# KiCad board poly_kb.kicad_pcb (continued)
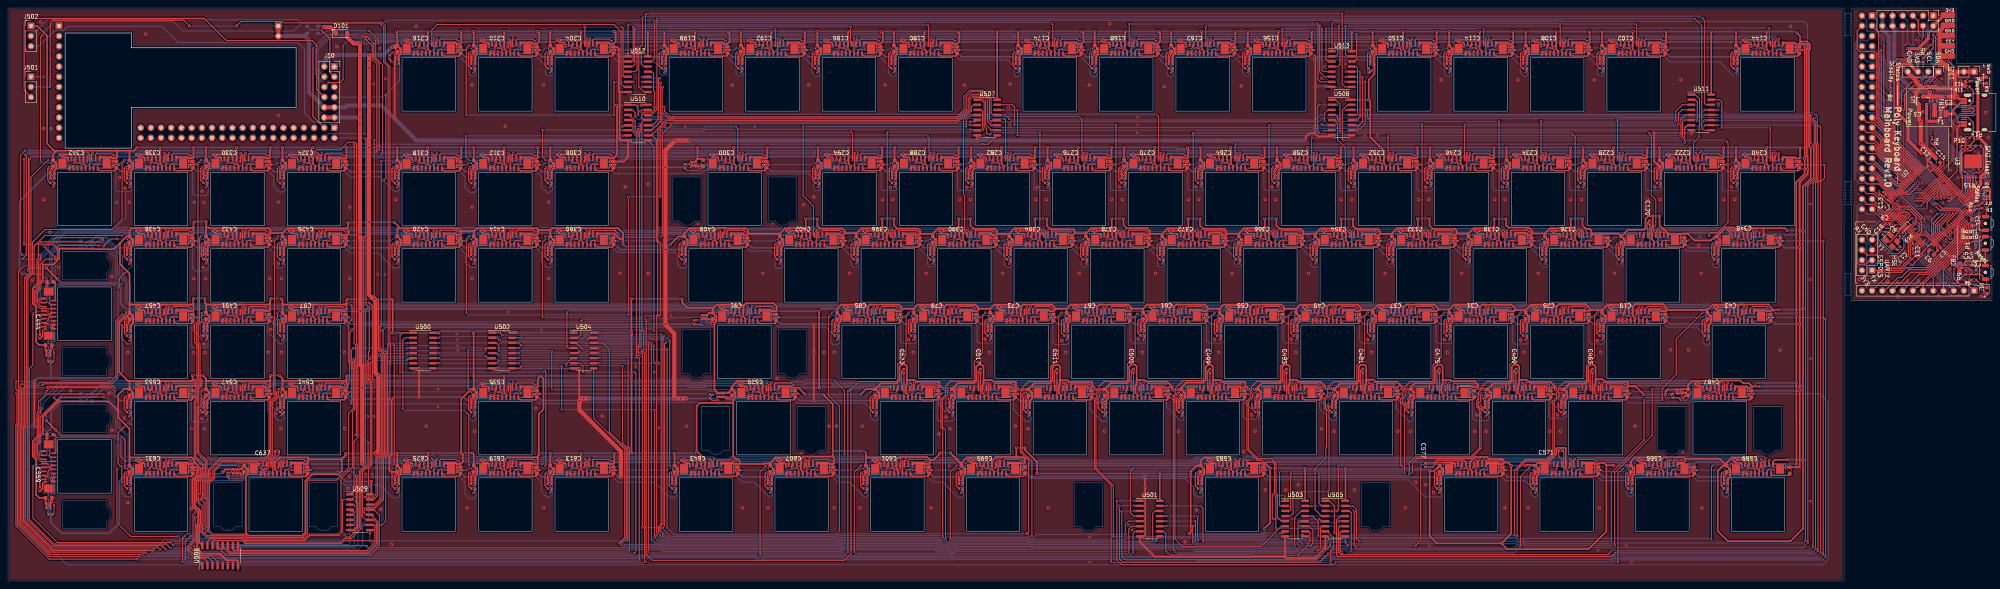
[diagram p0: board, top side]
## Routing (per net, layer and track width the routed paths; a pad name or vN(x,y) marks a point on that pad's centre or on a via; arc(x,y) is an arc through that point) (continued)
  Bottom w0.292: v2(181.55,66.18) 181.46,66.18 181.04,66.6 180.48,66.6 180.46,66.57 179.46,66.57 v2(179.3,66.41)
Net-(C93-Pad1): length 5.5
  Top w0.292: J25.15 187.24,64.21 190.17,64.21 190.17,64.21 190.97,64.21 191.26,64.49 C93.1
Net-(C96-Pad1): length 12.2
  Top w0.292: v2(73.51,65.99) 73.51,66.81 J26.4 ; v2(67.42,64.99) 67.11,64.68 67.11,61.78 C96.1
  Bottom w0.292: v2(73.51,65.99) 72.57,65.99 72.4,65.81 68.24,65.81 v2(67.42,64.99)
Net-(C96-Pad2): length 11.7
  Top w0.292: 74.09,64.77 74.37,64.77 J26.5 ; v2(68.27,60.04) 68.7,60.47 C96.2
  Bottom w0.292: v2(68.27,60.04) 68.63,60.4 68.63,64.19 69.05,64.61 73.93,64.61 74.09,64.77
  vias: v2(74.09,64.77)
Net-(C97-Pad1): length 4.7
  Top w0.292: C97.1 71.03,68.29 74.47,68.29 74.95,67.81 J26.6
Net-(C97-Pad2): length 8.1
  Top w0.292: J26.7 75.45,65.84 75.11,66.18 v2(74.4,66.18) ; v2(72.14,66.41) 72.14,67.27 71.82,67.59 70.69,67.59 C97.2
  Bottom w0.292: v2(72.14,66.41) 72.3,66.57 74,66.57 v2(74.4,66.18)
Net-(C99-Pad1): length 5.5
  Top w0.292: J26.15 80.09,64.21 83.01,64.21 83.01,64.21 83.82,64.21 84.1,64.49 C99.1
Net-(C101-Pad1): length 12.3
  Top w0.292: v2(402.26,132.75) 402.26,133.63 J102.4 ; C101.1 395.66,128.52 395.66,131.43 v2(395.96,131.73)
  Bottom w0.292: v2(395.96,131.73) 396.71,132.49 400.91,132.49 401.18,132.75 v2(402.26,132.75)
Net-(C101-Pad2): length 11.7
  Top w0.292: 402.71,131.45 402.99,131.45 J102.5 ; v2(396.88,126.71) 397.32,127.15 C101.2
  Bottom w0.292: 402.71,131.45 402.55,131.28 397.66,131.28 397.09,130.71 397.09,126.92 v2(396.88,126.71)
  vias: v2(402.7,131.45)
Net-(C102-Pad1): length 4.7
  Top w0.292: C102.1 399.64,134.97 403.08,134.97 403.56,134.49 J102.6
Net-(C102-Pad2): length 8
  Top w0.292: J102.7 404.06,132.52 403.73,132.85 v2(403.01,132.85) ; C102.2 399.31,134.27 400.44,134.27 400.76,133.95 v2(400.76,133.2)
  Bottom w0.292: v2(400.76,133.2) 400.92,133.36 402.5,133.36 v2(403.01,132.85)
Net-(C104-Pad1): length 5.5
  Top w0.292: J102.15 408.7,130.89 411.63,130.89 411.63,130.89 412.43,130.89 412.71,131.17 C104.1
Net-(C107-Pad1): length 12.3
  Top w0.292: v2(383.21,132.75) 383.21,133.63 J103.4 ; C107.1 376.61,128.52 376.61,131.43 v2(376.91,131.73)
  Bottom w0.292: v2(376.91,131.73) 377.66,132.49 381.86,132.49 382.13,132.75 v2(383.21,132.75)
Net-(C107-Pad2): length 11.7
  Top w0.292: 383.66,131.45 383.94,131.45 J103.5 ; v2(377.83,126.71) 378.27,127.15 C107.2
  Bottom w0.292: 383.66,131.45 383.5,131.28 378.61,131.28 378.04,130.71 378.04,126.92 v2(377.83,126.71)
  vias: v2(383.65,131.45)
Net-(C108-Pad1): length 4.7
  Top w0.292: C108.1 380.59,134.97 384.03,134.97 384.51,134.49 J103.6
Net-(C108-Pad2): length 8
  Top w0.292: J103.7 385.01,132.52 384.68,132.85 v2(383.96,132.85) ; C108.2 380.26,134.27 381.39,134.27 381.71,133.95 v2(381.71,133.2)
  Bottom w0.292: v2(381.71,133.2) 381.87,133.36 383.45,133.36 v2(383.96,132.85)
Net-(C110-Pad1): length 5.5
  Top w0.292: J103.15 389.65,130.89 392.58,130.89 392.58,130.89 393.38,130.89 393.66,131.17 C110.1
Net-(C113-Pad1): length 12.3
  Top w0.292: v2(364.16,132.75) 364.16,133.63 J104.4 ; C113.1 357.56,128.52 357.56,131.43 v2(357.86,131.73)
  Bottom w0.292: v2(357.86,131.73) 358.61,132.49 362.81,132.49 363.08,132.75 v2(364.16,132.75)
Net-(C113-Pad2): length 11.7
  Top w0.292: 364.61,131.45 364.89,131.45 J104.5 ; v2(358.78,126.71) 359.22,127.15 C113.2
  Bottom w0.292: 364.61,131.45 364.45,131.28 359.56,131.28 358.99,130.71 358.99,126.92 v2(358.78,126.71)
  vias: v2(364.6,131.45)
Net-(C114-Pad1): length 4.7
  Top w0.292: C114.1 361.54,134.97 364.98,134.97 365.46,134.49 J104.6
Net-(C114-Pad2): length 8
  Top w0.292: J104.7 365.96,132.52 365.63,132.85 v2(364.91,132.85) ; C114.2 361.21,134.27 362.34,134.27 362.66,133.95 v2(362.66,133.2)
  Bottom w0.292: v2(362.66,133.2) 362.82,133.36 364.4,133.36 v2(364.91,132.85)
Net-(C116-Pad1): length 5.5
  Top w0.292: J104.15 370.6,130.89 373.53,130.89 373.53,130.89 374.33,130.89 374.61,131.17 C116.1
Net-(C119-Pad1): length 12.3
  Top w0.292: v2(407.03,85.13) 407.03,86 J105.4 ; C119.1 400.42,80.9 400.42,83.8 v2(400.72,84.11)
  Bottom w0.292: v2(400.72,84.11) 401.48,84.86 405.68,84.86 405.94,85.13 v2(407.03,85.13)
Net-(C119-Pad2): length 11.7
  Top w0.292: 407.47,83.82 407.75,83.82 J105.5 ; v2(401.65,79.09) 402.08,79.52 C119.2
  Bottom w0.292: 407.47,83.82 407.31,83.66 402.43,83.66 401.85,83.09 401.85,79.3 v2(401.65,79.09)
  vias: v2(407.47,83.82)
Net-(C120-Pad1): length 3.9
  Top w0.254: C120.1 408.2,89.32 408.2,87.88 408.32,87.75 J105.6
Net-(C120-Pad2): length 5.1
  Top w0.254: C120.2 408.78,88.91 408.78,83.94 J105.7
Net-(C122-Pad1): length 5.5
  Top w0.292: J105.15 413.46,83.26 416.39,83.26 416.39,83.26 417.19,83.26 417.47,83.54 C122.1
Net-(C125-Pad1): length 12.3
  Top w0.292: v2(387.98,85.13) 387.98,86 J106.4 ; C125.1 381.37,80.9 381.37,83.8 v2(381.67,84.11)
  Bottom w0.292: v2(381.67,84.11) 382.43,84.86 386.63,84.86 386.89,85.13 v2(387.98,85.13)
Net-(C125-Pad2): length 11.7
  Top w0.292: 388.42,83.82 388.7,83.82 J106.5 ; v2(382.6,79.09) 383.03,79.52 C125.2
  Bottom w0.292: 388.42,83.82 388.26,83.66 383.38,83.66 382.8,83.09 382.8,79.3 v2(382.6,79.09)
  vias: v2(388.42,83.82)
Net-(C126-Pad1): length 4.7
  Top w0.292: C126.1 385.35,87.34 388.79,87.34 389.27,86.86 J106.6
Net-(C126-Pad2): length 8
  Top w0.292: J106.7 389.77,84.89 389.44,85.23 v2(388.72,85.23) ; C126.2 385.02,86.64 386.15,86.64 386.47,86.32 v2(386.47,85.58)
  Bottom w0.292: v2(386.47,85.58) 386.63,85.74 388.21,85.74 v2(388.72,85.23)
Net-(C128-Pad1): length 5.5
  Top w0.292: J106.15 394.41,83.26 397.34,83.26 397.34,83.26 398.14,83.26 398.42,83.54 C128.1
Net-(C131-Pad1): length 12.3
  Top w0.292: v2(349.88,85.13) 349.88,86 J107.4 ; C131.1 343.27,80.9 343.27,83.8 v2(343.57,84.11)
  Bottom w0.292: v2(343.57,84.11) 344.33,84.86 348.53,84.86 348.79,85.13 v2(349.88,85.13)
Net-(C131-Pad2): length 11.7
  Top w0.292: 350.32,83.82 350.6,83.82 J107.5 ; v2(344.5,79.09) 344.93,79.52 C131.2
  Bottom w0.292: 350.32,83.82 350.16,83.66 345.28,83.66 344.7,83.09 344.7,79.3 v2(344.5,79.09)
  vias: v2(350.32,83.82)
Net-(C132-Pad1): length 4.7
  Top w0.292: C132.1 347.25,87.34 350.69,87.34 351.18,86.86 J107.6
Net-(C132-Pad2): length 8
  Top w0.292: J107.7 351.68,84.89 351.34,85.23 v2(350.62,85.23) ; C132.2 346.92,86.64 348.05,86.64 348.37,86.32 v2(348.37,85.58)
  Bottom w0.292: v2(348.37,85.58) 348.53,85.74 350.11,85.74 v2(350.62,85.23)
Net-(C134-Pad1): length 5.5
  Top w0.292: J107.15 356.31,83.26 359.24,83.26 359.24,83.26 360.04,83.26 360.32,83.54 C134.1
Net-(C137-Pad1): length 12.4
  Top w0.292: C137.1 362.32,80.9 362.32,83.8 v2(362.62,84.11) ; J108.4 368.94,86.01 v2(368.94,85.1)
  Bottom w0.292: v2(368.94,85.1) 367.89,85.1 367.65,84.86 363.38,84.86 v2(362.62,84.11)
Net-(C137-Pad2): length 11.7
  Top w0.292: 369.37,83.82 369.65,83.82 J108.5 ; v2(363.55,79.09) 363.98,79.52 C137.2
  Bottom w0.292: 369.37,83.82 369.21,83.66 364.33,83.66 363.75,83.09 363.75,79.3 v2(363.55,79.09)
  vias: v2(369.37,83.82)
Net-(C138-Pad1): length 4.7
  Top w0.292: C138.1 366.3,87.34 369.74,87.34 370.23,86.86 J108.6
Net-(C138-Pad2): length 8.1
  Top w0.292: J108.7 370.73,84.89 370.39,85.23 v2(369.67,85.23) ; C138.2 365.97,86.64 367.1,86.64 367.42,86.32 v2(367.42,85.49)
  Bottom w0.292: v2(367.42,85.49) 367.58,85.65 368.73,85.65 368.81,85.72 369.17,85.72 v2(369.67,85.23)
Net-(C140-Pad1): length 5.5
  Top w0.292: J108.15 375.36,83.26 378.29,83.26 378.29,83.26 379.09,83.26 379.37,83.54 C140.1
Net-(C143-Pad1): length 12.3
  Top w0.292: v2(435.6,132.75) 435.6,133.63 J117.4 ; v2(429.3,131.73) 428.99,131.43 428.99,128.52 C143.1
  Bottom w0.292: v2(435.6,132.75) 434.52,132.75 434.25,132.49 430.05,132.49 v2(429.3,131.73)
Net-(C143-Pad2): length 11.7
  Top w0.292: v2(430.22,126.71) 430.65,127.15 C143.2 ; J117.5 436.32,131.45 436.04,131.45
  Bottom w0.292: v2(430.22,126.71) 430.43,126.92 430.43,130.71 431,131.28 435.88,131.28 436.04,131.45
  vias: v2(436.04,131.45)
Net-(C144-Pad1): length 4.7
  Top w0.292: J117.6 436.9,134.49 436.42,134.97 432.98,134.97 C144.1
Net-(C144-Pad2): length 8
  Top w0.292: v2(436.35,132.85) 437.06,132.85 437.4,132.52 J117.7 ; v2(434.09,133.2) 434.09,133.95 433.77,134.27 432.64,134.27 C144.2
  Bottom w0.292: v2(436.35,132.85) 435.83,133.36 434.25,133.36 v2(434.09,133.2)
Net-(C146-Pad1): length 5.5
  Top w0.292: J117.15 442.04,130.89 444.96,130.89 444.96,130.89 445.77,130.89 446.05,131.17 C146.1
Net-(C149-Pad1): length 12.3
  Top w0.292: v2(345.11,132.75) 345.11,133.63 J118.4 ; C149.1 338.51,128.01 338.51,131.43 v2(338.81,131.73)
  Bottom w0.292: v2(338.81,131.73) 339.56,132.49 343.76,132.49 344.03,132.75 v2(345.11,132.75)
Net-(C149-Pad2): length 10.9
  Top w0.292: 345.56,131.45 345.84,131.45 J118.5 ; 339.68,127.33 v2(339.62,127.33) 339.07,126.77 C149.2
  Bottom w0.292: v2(339.62,127.33) 339.93,127.63 339.93,130.7 340.51,131.28 345.4,131.28 345.56,131.45
  vias: v2(345.55,131.45)
Net-(C150-Pad1): length 4.7
  Top w0.292: C150.1 342.49,134.97 345.93,134.97 346.41,134.49 J118.6
Net-(C150-Pad2): length 8
  Top w0.292: J118.7 346.91,132.52 346.58,132.85 v2(345.86,132.85) ; C150.2 342.16,134.27 343.29,134.27 343.61,133.95 v2(343.61,133.2)
  Bottom w0.292: v2(343.61,133.2) 343.77,133.36 345.35,133.36 v2(345.86,132.85)
Net-(C152-Pad1): length 5.5
  Top w0.292: J118.15 351.55,130.89 354.48,130.89 354.48,130.89 355.28,130.89 355.56,131.17 C152.1
Net-(C155-Pad1): length 12.3
  Top w0.292: v2(314,132.75) 314,133.63 J119.4 ; C155.1 307.39,128.52 307.39,131.43 v2(307.7,131.73)
  Bottom w0.292: v2(307.7,131.73) 308.45,132.49 312.65,132.49 312.91,132.75 v2(314,132.75)
Net-(C155-Pad2): length 11.7
  Top w0.292: 314.44,131.45 314.72,131.45 J119.5 ; v2(308.62,126.71) 309.05,127.15 C155.2
  Bottom w0.292: 314.44,131.45 314.28,131.28 309.4,131.28 308.83,130.71 308.83,126.92 v2(308.62,126.71)
  vias: v2(314.44,131.45)
Net-(C156-Pad1): length 4.7
  Top w0.292: C156.1 311.37,134.97 314.81,134.97 315.3,134.49 J119.6
Net-(C156-Pad2): length 8
  Top w0.292: J119.7 315.8,132.52 315.46,132.85 v2(314.74,132.85) ; C156.2 311.04,134.27 312.17,134.27 312.49,133.95 v2(312.49,133.2)
  Bottom w0.292: v2(312.49,133.2) 312.65,133.36 314.23,133.36 v2(314.74,132.85)
Net-(C158-Pad1): length 5.5
  Top w0.292: J119.15 320.43,130.89 323.36,130.89 323.36,130.89 324.16,130.89 324.45,131.17 C158.1
Net-(C161-Pad1): length 12.3
  Top w0.292: v2(294.95,132.75) 294.95,133.63 J120.4 ; C161.1 288.34,128.52 288.34,131.43 v2(288.65,131.73)
  Bottom w0.292: v2(288.65,131.73) 289.4,132.49 293.6,132.49 293.86,132.75 v2(294.95,132.75)
Net-(C161-Pad2): length 11.7
  Top w0.292: 295.39,131.45 295.67,131.45 J120.5 ; v2(289.57,126.71) 290,127.15 C161.2
  Bottom w0.292: 295.39,131.45 295.23,131.28 290.35,131.28 289.78,130.71 289.78,126.92 v2(289.57,126.71)
  vias: v2(295.39,131.45)
Net-(C162-Pad1): length 4.7
  Top w0.292: C162.1 292.32,134.97 295.76,134.97 296.25,134.49 J120.6
Net-(C162-Pad2): length 8
  Top w0.292: J120.7 296.75,132.52 296.41,132.85 v2(295.69,132.85) ; C162.2 291.99,134.27 293.12,134.27 293.44,133.95 v2(293.44,133.2)
  Bottom w0.292: v2(293.44,133.2) 293.6,133.36 295.18,133.36 v2(295.69,132.85)
Net-(C164-Pad1): length 5.5
  Top w0.292: J120.15 301.38,130.89 304.31,130.89 304.31,130.89 305.11,130.89 305.4,131.17 C164.1
Net-(C167-Pad1): length 12.3
  Top w0.292: v2(275.9,132.75) 275.9,133.63 J121.4 ; C167.1 269.29,128.52 269.29,131.43 v2(269.6,131.73)
  Bottom w0.292: v2(269.6,131.73) 270.35,132.49 274.55,132.49 274.81,132.75 v2(275.9,132.75)
Net-(C167-Pad2): length 11.7
  Top w0.292: 276.34,131.45 276.62,131.45 J121.5 ; v2(270.52,126.71) 270.95,127.15 C167.2
  Bottom w0.292: 276.34,131.45 276.18,131.28 271.3,131.28 270.73,130.71 270.73,126.92 v2(270.52,126.71)
  vias: v2(276.34,131.45)
Net-(C168-Pad1): length 4.7
  Top w0.292: C168.1 273.27,134.97 276.71,134.97 277.2,134.49 J121.6
Net-(C168-Pad2): length 8
  Top w0.292: J121.7 277.7,132.52 277.36,132.85 v2(276.64,132.85) ; C168.2 272.94,134.27 274.07,134.27 274.39,133.95 v2(274.39,133.2)
  Bottom w0.292: v2(274.39,133.2) 274.55,133.36 276.13,133.36 v2(276.64,132.85)
Net-(C170-Pad1): length 5.5
  Top w0.292: J121.15 282.33,130.89 285.26,130.89 285.26,130.89 286.06,130.89 286.35,131.17 C170.1
Net-(C173-Pad1): length 12.3
  Top w0.292: v2(256.85,132.75) 256.85,133.63 J122.4 ; C173.1 250.24,128.52 250.24,131.43 v2(250.55,131.73)
  Bottom w0.292: v2(250.55,131.73) 251.3,132.49 255.5,132.49 255.76,132.75 v2(256.85,132.75)
Net-(C173-Pad2): length 11.7
  Top w0.292: 257.29,131.45 257.57,131.45 J122.5 ; v2(251.47,126.71) 251.9,127.15 C173.2
  Bottom w0.292: 257.29,131.45 257.13,131.28 252.25,131.28 251.68,130.71 251.68,126.92 v2(251.47,126.71)
  vias: v2(257.29,131.45)
Net-(C174-Pad1): length 4.7
  Top w0.292: C174.1 254.22,134.97 257.66,134.97 258.15,134.49 J122.6
Net-(C174-Pad2): length 8
  Top w0.292: J122.7 258.65,132.52 258.31,132.85 v2(257.59,132.85) ; C174.2 253.89,134.27 255.02,134.27 255.34,133.95 v2(255.34,133.2)
  Bottom w0.292: v2(255.34,133.2) 255.5,133.36 257.08,133.36 v2(257.59,132.85)
Net-(C176-Pad1): length 5.5
  Top w0.292: J122.15 263.28,130.89 266.21,130.89 266.21,130.89 267.01,130.89 267.3,131.17 C176.1
Net-(C179-Pad1): length 12.3
  Top w0.292: v2(225.89,132.75) 225.89,133.63 J123.4 ; C179.1 219.28,128.52 219.28,131.43 v2(219.59,131.73)
  Bottom w0.292: v2(219.59,131.73) 220.34,132.49 224.54,132.49 224.81,132.75 v2(225.89,132.75)
Net-(C179-Pad2): length 11.7
  Top w0.292: 226.34,131.45 226.61,131.45 J123.5 ; v2(220.51,126.71) 220.95,127.15 C179.2
  Bottom w0.292: 226.34,131.45 226.17,131.28 221.29,131.28 220.72,130.71 220.72,126.92 v2(220.51,126.71)
  vias: v2(226.33,131.45)
Net-(C180-Pad1): length 4.7
  Top w0.292: C180.1 223.27,134.97 226.71,134.97 227.19,134.49 J123.6
Net-(C180-Pad2): length 8
  Top w0.292: J123.7 227.69,132.52 227.36,132.85 v2(226.64,132.85) ; C180.2 222.94,134.27 224.07,134.27 224.39,133.95 v2(224.39,133.2)
  Bottom w0.292: v2(224.39,133.2) 224.54,133.36 226.13,133.36 v2(226.64,132.85)
Net-(C182-Pad1): length 5.5
  Top w0.292: J123.15 232.33,130.89 235.25,130.89 235.26,130.89 236.06,130.89 236.34,131.17 C182.1
Net-(C185-Pad1): length 12.3
  Top w0.292: v2(206.84,132.75) 206.84,133.63 J124.4 ; C185.1 200.23,128.52 200.23,131.43 v2(200.54,131.73)
  Bottom w0.292: v2(200.54,131.73) 201.29,132.49 205.49,132.49 205.76,132.75 v2(206.84,132.75)
Net-(C185-Pad2): length 11.7
  Top w0.292: 207.29,131.45 207.56,131.45 J124.5 ; v2(201.46,126.71) 201.9,127.15 C185.2
  Bottom w0.292: 207.29,131.45 207.12,131.28 202.24,131.28 201.67,130.71 201.67,126.92 v2(201.46,126.71)
  vias: v2(207.28,131.45)
Net-(C186-Pad1): length 4.7
  Top w0.292: C186.1 204.22,134.97 207.66,134.97 208.14,134.49 J124.6
Net-(C186-Pad2): length 8
  Top w0.292: J124.7 208.64,132.52 208.31,132.85 v2(207.59,132.85) ; C186.2 203.89,134.27 205.02,134.27 205.34,133.95 v2(205.34,133.2)
  Bottom w0.292: v2(205.34,133.2) 205.49,133.36 207.08,133.36 v2(207.59,132.85)
Net-(C188-Pad1): length 5.5
  Top w0.292: J124.15 213.28,130.89 216.2,130.89 216.21,130.89 217.01,130.89 217.29,131.17 C188.1
Net-(C191-Pad1): length 12.3
  Top w0.292: v2(187.79,132.75) 187.79,133.63 J125.4 ; C191.1 181.18,128.52 181.18,131.43 v2(181.49,131.73)
  Bottom w0.292: v2(181.49,131.73) 182.24,132.49 186.44,132.49 186.71,132.75 v2(187.79,132.75)
Net-(C191-Pad2): length 11.7
  Top w0.292: 188.24,131.45 188.51,131.45 J125.5 ; v2(182.41,126.71) 182.85,127.15 C191.2
  Bottom w0.292: 188.24,131.45 188.07,131.28 183.19,131.28 182.62,130.71 182.62,126.92 v2(182.41,126.71)
  vias: v2(188.23,131.45)
Net-(C192-Pad1): length 4.7
  Top w0.292: C192.1 185.17,134.97 188.61,134.97 189.09,134.49 J125.6
Net-(C192-Pad2): length 8
  Top w0.292: J125.7 189.59,132.52 189.26,132.85 v2(188.54,132.85) ; C192.2 184.84,134.27 185.97,134.27 186.29,133.95 v2(186.29,133.2)
  Bottom w0.292: v2(186.29,133.2) 186.44,133.36 188.03,133.36 v2(188.54,132.85)
Net-(C194-Pad1): length 5.5
  Top w0.292: J125.15 194.23,130.89 197.15,130.89 197.16,130.89 197.96,130.89 198.24,131.17 C194.1
Net-(C197-Pad1): length 12.4
  Top w0.292: C197.1 162.13,128.52 162.13,131.43 v2(162.44,131.73) ; v2(168.74,132.74) 168.74,133.63 J126.4
  Bottom w0.292: v2(162.44,131.73) 163.19,132.49 167.39,132.49 167.65,132.74 v2(168.74,132.74)
Net-(C197-Pad2): length 11.7
  Top w0.292: 169.19,131.45 169.46,131.45 J126.5 ; v2(163.36,126.71) 163.8,127.15 C197.2
  Bottom w0.292: 169.19,131.45 169.02,131.28 164.14,131.28 163.57,130.71 163.57,126.92 v2(163.36,126.71)
  vias: v2(169.18,131.45)
Net-(C198-Pad1): length 4.7
  Top w0.292: C198.1 166.12,134.97 169.56,134.97 170.04,134.49 J126.6
Net-(C198-Pad2): length 8
  Top w0.292: J126.7 170.54,132.52 170.21,132.85 v2(169.49,132.85) ; v2(167.23,133.16) 167.23,133.95 166.92,134.27 165.79,134.27 C198.2
  Bottom w0.292: v2(169.49,132.85) 169.02,133.32 167.39,133.32 v2(167.23,133.16)
Net-(C200-Pad1): length 5.5
  Top w0.292: J126.15 175.18,130.89 178.1,130.89 178.11,130.89 178.91,130.89 179.19,131.17 C200.1
Net-(C203-Pad1): length 12.3
  Top w0.292: v2(140.33,132.75) 140.33,133.63 J127.4 ; C203.1 133.72,128.52 133.72,131.43 v2(134.02,131.73)
  Bottom w0.292: v2(134.02,131.73) 134.78,132.49 138.98,132.49 139.24,132.75 v2(140.33,132.75)
Net-(C203-Pad2): length 11.7
  Top w0.292: 140.77,131.45 141.05,131.45 J127.5 ; v2(134.95,126.71) 135.38,127.15 C203.2
  Bottom w0.292: 140.77,131.45 140.61,131.28 135.73,131.28 135.15,130.71 135.15,126.92 v2(134.95,126.71)
  vias: v2(140.77,131.45)
Net-(C204-Pad1): length 4.7
  Top w0.292: C204.1 137.7,134.97 141.14,134.97 141.62,134.49 J127.6
Net-(C204-Pad2): length 8
  Top w0.292: J127.7 142.12,132.52 141.79,132.85 v2(141.07,132.85) ; C204.2 137.37,134.27 138.5,134.27 138.82,133.95 v2(138.82,133.2)
  Bottom w0.292: v2(138.82,133.2) 138.98,133.36 140.56,133.36 v2(141.07,132.85)
Net-(C206-Pad1): length 5.5
  Top w0.292: J127.15 146.76,130.89 149.69,130.89 149.69,130.89 150.49,130.89 150.77,131.17 C206.1
Net-(C209-Pad1): length 12.3
  Top w0.292: v2(121.28,132.75) 121.28,133.63 J128.4 ; C209.1 114.67,128.52 114.67,131.43 v2(114.97,131.73)
  Bottom w0.292: v2(114.97,131.73) 115.73,132.49 119.93,132.49 120.19,132.75 v2(121.28,132.75)
Net-(C209-Pad2): length 11.7
  Top w0.292: v2(115.9,126.71) 116.33,127.15 C209.2 ; 121.72,131.45 122,131.45 J128.5
  Bottom w0.292: 121.72,131.45 121.56,131.28 116.68,131.28 116.1,130.71 116.1,126.92 v2(115.9,126.71)
  vias: v2(121.72,131.45)
Net-(C210-Pad1): length 4.7
  Top w0.292: J128.6 122.58,134.49 122.09,134.97 118.65,134.97 C210.1
Net-(C210-Pad2): length 8
  Top w0.292: v2(122.02,132.85) 122.74,132.85 123.08,132.52 J128.7 ; v2(119.77,133.21) 119.77,133.95 119.45,134.27 118.32,134.27 C210.2
  Bottom w0.292: v2(122.02,132.85) 121.51,133.36 119.93,133.36 v2(119.77,133.21)
Net-(C212-Pad1): length 5.5
  Top w0.292: J128.15 127.71,130.89 130.64,130.89 130.64,130.89 131.44,130.89 131.72,131.17 C212.1
Net-(C215-Pad1): length 9.2
  Top w0.292: v2(102.23,132.75) 102.23,133.63 J129.4 ; v2(95.92,131.73) 95.66,131.73 C215.1
  Bottom w0.292: v2(95.92,131.73) 96.68,132.49 100.88,132.49 101.14,132.75 v2(102.23,132.75)
Net-(C215-Pad2): length 9.4
  Top w0.292: 102.67,131.45 102.95,131.45 J129.5 ; v2(95.45,129.46) 95.45,129.65 C215.2
  Bottom w0.292: 102.67,131.45 102.51,131.28 97.63,131.28 97.05,130.71 97.05,130.53 95.99,129.46 v2(95.45,129.46)
  vias: v2(102.67,131.45)
Net-(C216-Pad1): length 4.7
  Top w0.292: C216.1 99.6,134.97 103.04,134.97 103.53,134.49 J129.6
Net-(C216-Pad2): length 8
  Top w0.292: J129.7 104.03,132.52 103.69,132.85 v2(102.97,132.85) ; C216.2 99.27,134.27 100.4,134.27 100.72,133.95 v2(100.72,133.2)
  Bottom w0.292: v2(100.72,133.2) 100.88,133.36 102.46,133.36 v2(102.97,132.85)
Net-(C218-Pad1): length 5.5
  Top w0.292: J129.15 108.66,130.89 111.59,130.89 111.59,130.89 112.39,130.89 112.67,131.17 C218.1
Net-(C221-Pad1): length 12.3
  Top w0.292: v2(416.55,104.18) 416.55,105.05 J130.4 ; C221.1 409.94,99.95 409.94,102.85 v2(410.25,103.16)
  Bottom w0.292: v2(410.25,103.16) 411,103.91 415.2,103.91 415.47,104.18 v2(416.55,104.18)
Net-(C221-Pad2): length 11.7
  Top w0.292: 416.99,102.87 417.27,102.87 J130.5 ; v2(411.17,98.14) 411.6,98.57 C221.2
  Bottom w0.292: 416.99,102.87 416.83,102.71 411.95,102.71 411.38,102.14 411.38,98.35 v2(411.17,98.14)
  vias: v2(416.99,102.87)
Net-(C222-Pad1): length 4.7
  Top w0.292: C222.1 413.93,106.39 417.37,106.39 417.85,105.91 J130.6
Net-(C222-Pad2): length 8
  Top w0.292: J130.7 418.35,103.94 418.01,104.28 v2(417.3,104.28) ; C222.2 413.59,105.69 414.72,105.69 415.04,105.37 v2(415.04,104.63)
  Bottom w0.292: v2(415.04,104.63) 415.2,104.79 416.78,104.79 v2(417.3,104.28)
Net-(C224-Pad1): length 5.5
  Top w0.292: J130.15 422.99,102.31 425.91,102.31 425.91,102.31 426.72,102.31 427,102.59 C224.1
Net-(C227-Pad1): length 12.3
  Top w0.292: v2(397.5,104.18) 397.5,105.05 J131.4 ; C227.1 390.89,99.95 390.89,102.85 v2(391.2,103.16)
  Bottom w0.292: v2(391.2,103.16) 391.95,103.91 396.15,103.91 396.42,104.18 v2(397.5,104.18)
Net-(C227-Pad2): length 11.7
  Top w0.292: 397.94,102.87 398.22,102.87 J131.5 ; v2(392.12,98.14) 392.55,98.57 C227.2
  Bottom w0.292: 397.94,102.87 397.78,102.71 392.9,102.71 392.33,102.14 392.33,98.35 v2(392.12,98.14)
  vias: v2(397.94,102.87)
Net-(C228-Pad1): length 4.7
  Top w0.292: C228.1 394.88,106.39 398.32,106.39 398.8,105.91 J131.6
Net-(C228-Pad2): length 8
  Top w0.292: J131.7 399.3,103.94 398.96,104.28 v2(398.25,104.28) ; C228.2 394.54,105.69 395.67,105.69 395.99,105.37 v2(395.99,104.63)
  Bottom w0.292: v2(395.99,104.63) 396.15,104.79 397.73,104.79 v2(398.25,104.28)
Net-(C230-Pad1): length 5.5
  Top w0.292: J131.15 403.94,102.31 406.86,102.31 406.86,102.31 407.67,102.31 407.95,102.59 C230.1
Net-(C233-Pad1): length 12.3
  Top w0.292: v2(378.45,104.18) 378.45,105.05 J132.4 ; C233.1 371.84,99.95 371.84,102.85 v2(372.15,103.16)
  Bottom w0.292: v2(372.15,103.16) 372.9,103.91 377.1,103.91 377.37,104.18 v2(378.45,104.18)
Net-(C233-Pad2): length 11.7
  Top w0.292: 378.89,102.87 379.17,102.87 J132.5 ; v2(373.07,98.14) 373.5,98.57 C233.2
  Bottom w0.292: 378.89,102.87 378.73,102.71 373.85,102.71 373.28,102.14 373.28,98.35 v2(373.07,98.14)
  vias: v2(378.89,102.87)
Net-(C234-Pad1): length 4.7
  Top w0.292: C234.1 375.83,106.39 379.27,106.39 379.75,105.91 J132.6
Net-(C234-Pad2): length 8
  Top w0.292: J132.7 380.25,103.94 379.91,104.28 v2(379.2,104.28) ; C234.2 375.49,105.69 376.62,105.69 376.94,105.37 v2(376.94,104.63)
  Bottom w0.292: v2(376.94,104.63) 377.1,104.79 378.68,104.79 v2(379.2,104.28)
Net-(C236-Pad1): length 5.5
  Top w0.292: J132.15 384.89,102.31 387.81,102.31 387.81,102.31 388.62,102.31 388.9,102.59 C236.1
Net-(C239-Pad1): length 12.3
  Top w0.292: v2(435.6,104.18) 435.6,105.05 J133.4 ; C239.1 428.99,99.95 428.99,102.85 v2(429.3,103.16)
  Bottom w0.292: v2(429.3,103.16) 430.05,103.91 434.25,103.91 434.52,104.18 v2(435.6,104.18)
Net-(C239-Pad2): length 11.7
  Top w0.292: 436.04,102.87 436.32,102.87 J133.5 ; v2(430.22,98.14) 430.65,98.57 C239.2
  Bottom w0.292: 436.04,102.87 435.88,102.71 431,102.71 430.43,102.14 430.43,98.35 v2(430.22,98.14)
  vias: v2(436.04,102.87)
Net-(C240-Pad1): length 4.7
  Top w0.292: C240.1 432.98,106.39 436.42,106.39 436.9,105.91 J133.6
Net-(C240-Pad2): length 8
  Top w0.292: J133.7 437.4,103.94 437.06,104.28 v2(436.35,104.28) ; C240.2 432.64,105.69 433.77,105.69 434.09,105.37 v2(434.09,104.63)
  Bottom w0.292: v2(434.09,104.63) 434.25,104.79 435.83,104.79 v2(436.35,104.28)
Net-(C242-Pad1): length 5.5
  Top w0.292: J133.15 442.04,102.31 444.96,102.31 444.96,102.31 445.77,102.31 446.05,102.59 C242.1
Net-(C245-Pad1): length 12.3
  Top w0.292: v2(359.4,104.18) 359.4,105.05 J134.4 ; C245.1 352.79,99.95 352.79,102.85 v2(353.1,103.16)
  Bottom w0.292: v2(353.1,103.16) 353.85,103.91 358.05,103.91 358.32,104.18 v2(359.4,104.18)
Net-(C245-Pad2): length 11.7
  Top w0.292: 359.84,102.87 360.12,102.87 J134.5 ; v2(354.02,98.14) 354.45,98.57 C245.2
  Bottom w0.292: 359.84,102.87 359.68,102.71 354.8,102.71 354.23,102.14 354.23,98.35 v2(354.02,98.14)
  vias: v2(359.84,102.87)
Net-(C246-Pad1): length 4.7
  Top w0.292: C246.1 356.78,106.39 360.22,106.39 360.7,105.91 J134.6
Net-(C246-Pad2): length 8
  Top w0.292: J134.7 361.2,103.94 360.86,104.28 v2(360.15,104.28) ; C246.2 356.44,105.69 357.57,105.69 357.89,105.37 v2(357.89,104.63)
  Bottom w0.292: v2(357.89,104.63) 358.05,104.79 359.63,104.79 v2(360.15,104.28)
Net-(C248-Pad1): length 5.5
  Top w0.292: J134.15 365.84,102.31 368.76,102.31 368.76,102.31 369.57,102.31 369.85,102.59 C248.1
Net-(C251-Pad1): length 12.3
  Top w0.292: v2(340.35,104.18) 340.35,105.05 J135.4 ; C251.1 333.74,99.95 333.74,102.85 v2(334.05,103.16)
  Bottom w0.292: v2(334.05,103.16) 334.8,103.91 339,103.91 339.27,104.18 v2(340.35,104.18)
Net-(C251-Pad2): length 11.7
  Top w0.292: 340.79,102.87 341.07,102.87 J135.5 ; v2(334.97,98.14) 335.4,98.57 C251.2
  Bottom w0.292: 340.79,102.87 340.63,102.71 335.75,102.71 335.18,102.14 335.18,98.35 v2(334.97,98.14)
  vias: v2(340.79,102.87)
Net-(C252-Pad1): length 4.7
  Top w0.292: C252.1 337.73,106.39 341.17,106.39 341.65,105.91 J135.6
